# Allegro board BRD-05058-01_B04.brd (continued)
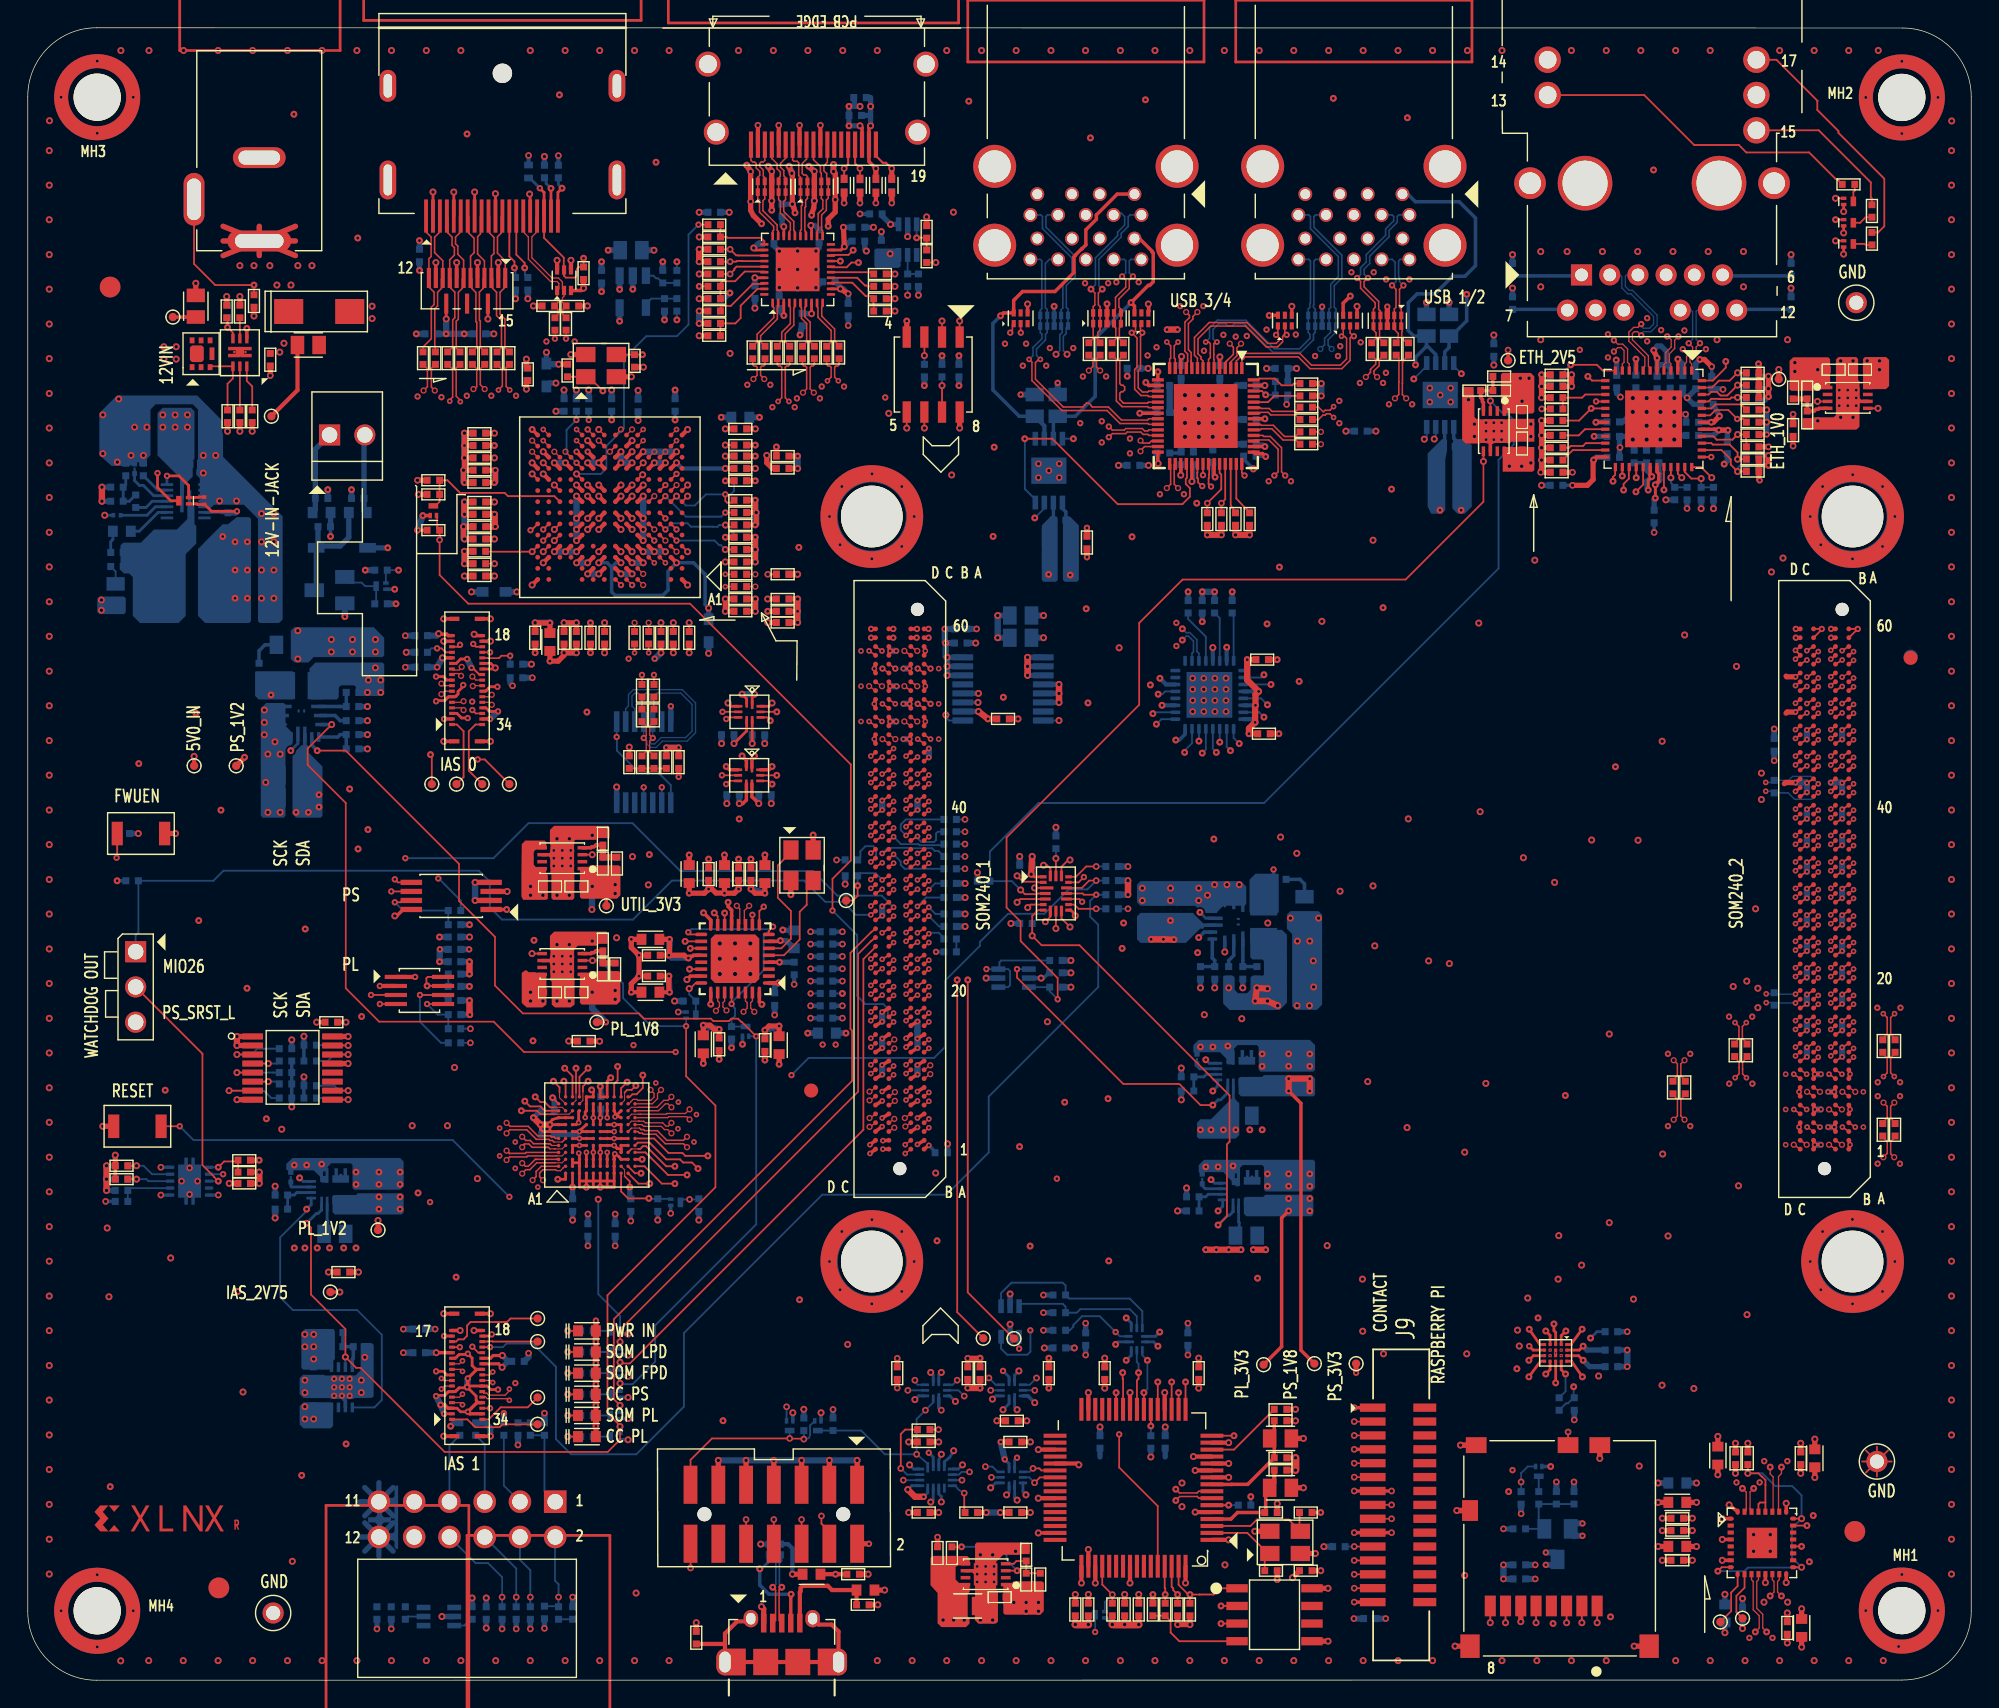
[diagram p0: board, top side]
## Routing (per net, layer and track width the routed paths; a pad name or vN(x,y) marks a point on that pad's centre or on a via; arc(x,y) is an arc through that point) (continued)
MIO69: length 76.6
  TOP w0.132: JA1.C44 v3(61.55,65.25) ; v2(121.27,88.09) U36.37
  L12_SIG w0.102: v2(121.27,88.09) 121,88.36 112.62,88.36 111.81,87.55 111.81,86.49 111.73,86.41 111.73,84.67 111.48,84.43 110.33,84.43 109.35,83.45 109.35,83.3 110.01,82.64 110.01,82.49 109.72,82.21 109.58,82.21 108.92,82.87 108.77,82.87 108.48,82.58 108.48,82.44 109.15,81.78 109.15,81.63 108.86,81.35 108.72,81.35 108.05,82.01 107.91,82.01 99.55,73.65 96.17,73.65 88.83,66.31 80.8,66.31 80.54,66.56 66.73,66.56 66.18,66.01 65.29,66.01 65.14,65.86 62.16,65.86 v3(61.55,65.25)
MIO70: length 70.7
  TOP w0.132: U36.32 v6(117.87,85.72) ; JA1.B44 v3(63.27,65.28)
  L05_SIG w0.102: v6(117.87,85.72) 117.87,86.77 117.24,87.39 114.43,87.39 113.51,86.47 113.51,83.86 111.91,82.26 111.91,78.74 98.99,65.81 63.81,65.81 v3(63.27,65.28)
MIO71: length 70.5
  TOP w0.132: U36.33 v4(118.37,86.6) ; JA1.B45 v3(64.09,66.48)
  L05_SIG w0.102: v3(64.09,66.48) 64.52,66.05 65.1,66.05 65.35,66.31 93.11,66.31 95.13,68.32 99.19,68.32 110.13,79.26 110.13,81.62 112.73,84.22 112.73,86.63 114.25,88.15 117.5,88.15 118.37,87.28 v4(118.37,86.6)
  BOTTOM w0.132: R123.1 R111.2 118.64,85.96 118.37,86.24 v4(118.37,86.6)
MIO72: length 72.4
  TOP w0.132: U36.34 118.87,86.88 v4(119.15,86.6) ; JA1.B46 v3(63.27,66.55)
  L05_SIG w0.102: v3(63.27,66.55) 62.87,66.95 62.87,67.25 62.66,67.45 62.66,68.06 62.87,68.26 65.74,68.26 66.93,67.07 75.97,67.07 77.24,68.34 86.94,68.34 87.18,68.58 91.45,68.58 94.38,71.52 97.33,71.52 110.01,84.19 110.01,86.83 111.87,88.69 113.72,88.69 114.23,89.21 114.92,89.21 115.44,88.69 117.85,88.69 119.15,87.39 v4(119.15,86.6)
MIO73: length 72.7
  TOP w0.132: JA1.A42 v3(64.91,64.55) ; v4(120.55,86.53) 119.84,86.53 119.37,87.01 U36.35
  L05_SIG w0.102: v3(64.91,64.55) 65.02,64.66 106.03,64.66 119.96,78.59 119.96,85.95 v4(120.55,86.53)
  BOTTOM w0.132: v4(120.55,86.53) R122.1 R110.2
MIO74: length 71.4
  TOP w0.132: v4(121.31,86.6) 120.54,87.36 U36.36 ; JA1.A43 v3(64.91,65.19)
  L12_SIG w0.102: v3(64.91,65.19) 91.14,65.19 96.88,70.93 102.96,70.93 113.03,80.99 113.03,86.12 113.03,86.35 113.02,86.36 113.02,86.71 113.57,87.26 120.64,87.26 v4(121.31,86.6)
MIO75: length 77
  TOP w0.132: R109.2 v4(123.17,87.04) 122.68,87.53 122.68,87.92 122.01,88.59 U36.38 ; JA1.A44 v3(64.09,65.25)
  L12_SIG w0.102: v3(64.09,65.25) 64.51,65.67 75.89,65.67 75.94,65.62 89.75,65.62 96.3,72.17 101.88,72.17 112.44,82.73 112.44,84.39 112.06,84.77 112.06,86.27 113.47,87.68 120.77,87.68 121.42,87.03 121.49,87.03 121.51,87.01 122.67,87.01 122.7,87.04 v4(123.17,87.04)
  BOTTOM w0.132: R121.1 123.65,87.49 123.36,87.49 123.17,87.3 v4(123.17,87.04)
MIO76: length 70.9
  TOP w0.132: v2(112.97,92.09) U36.16 ; JA1.D44 v3(60.73,65.28)
  L05_SIG w0.102: v3(60.73,65.28) 60.03,65.98 60.03,68.15 60.48,68.59 66,68.59 66.74,67.86 75.36,67.86 80.54,73.04 95.65,73.04 105.77,83.15 105.77,87.67 108.08,89.98 108.54,89.98 108.74,90.18 111.81,90.18 113.04,91.41 113.04,91.76 112.97,91.83 v2(112.97,92.09)
MIO77: length 67.9
  TOP w0.132: JA1.D45 v3(61.55,66.48) ; U36.17 v6(112.63,91.59) 111.75,90.71 R103.2
  L12_SIG w0.102: v6(112.63,91.59) 110.64,89.6 110.64,86.27 99.19,74.81 95.51,74.81 89.13,68.44 88.34,68.44 88.19,68.59 82.83,68.59 81.56,67.32 66.3,67.32 65.03,66.05 63.65,66.05 63.62,66.09 61.95,66.09 v3(61.55,66.48)
MODE0_C2M: length 1.8
  TOP w0.132: JA1.A27 v3(64.91,55.03)
  BOTTOM w0.132: v3(64.91,55.03) 65.66,54.28 R165.1
MODE1_C2M: length 18
  TOP w0.132: JA1.A28 v3(64.91,55.66)
  L03_SIG w0.102: v1(79.26,55.55) 77.75,57.06 74.8,57.06 74.18,56.44 68.84,56.44 68.06,55.66 v3(64.91,55.66)
  BOTTOM w0.132: R288.2 v1(79.26,55.55) ; v3(64.91,55.66) 65.39,55.18 R164.1
MODE2_C2M: length 2.7
  TOP w0.132: JA1.A29 v3(64.09,55.73)
  BOTTOM w0.132: R163.1 64.73,56.36 v3(64.09,55.73)
MODE3_C2M: length 1.7
  TOP w0.132: JA1.A30 v3(64.91,56.93)
  BOTTOM w0.132: R162.1 65.36,57.38 v3(64.91,56.93)
MP5016_DVDT: length 3.3
  TOP w0.132: C206.1 16.17,93.17 15.78,93.56 U41.10
MP5016_EN: length 3.1
  TOP w0.132: U41.9 R133.2
MP5016_GATE: length 5
  TOP w0.132: Q5.3 13.2,94.62 U41.8 14.77,94.61 14.77,93.74 14.39,93.36 C234.1
MP5016_ILIMIT: length 1.5
  TOP w0.132: R135.1 U41.4
MP5016_MODE: length 2.4
  TOP w0.132: C235.1 14.39,98.06 v6(14.39,97.42) 14.77,97.04 14.77,96.63 U41.5
  BOTTOM w0.132: R134.1 v6(14.39,97.42)
Net_99: length 0.6
  TOP w0.132: 46.33,83.27 v2(46.73,82.87)
PC4_CON_PGND: length 13.6
  TOP w0.127: J3.13 47.74,15.87 49.29,17.41 v1(54.89,17.41) 54.9,17.39 55.87,17.39 v1(55.9,17.36)
  BOTTOM w0.132: Q12.1 56.35,18.34 56.35,17.65 56.27,17.44 56.06,17.36 v1(55.9,17.36) R234.2 ; Q13.3 v1(54.89,17.41)
PL_1V2: length 49.3
  TOP w0.203: 42.24,37.72 42.28,37.9 42.59,37.71 U34.K3 U34.L3 ; 42.24,37.72 U34.J3 U34.J2 U34.J1 42.24,35.95 ; 42.24,37.72 42.24,37.73 v3(42.29,37.91) ; v6(40.24,35.51) 39.74,35.51 39.74,35.95 ; v6(40.24,35.51) 40.24,35.95 ; v6(40.24,35.51) 40.74,35.51 ; U34.B8 U34.A8 v6(37.62,40.01) ; 39.74,37.26 U34.D2 U34.D1 39.74,35.95 ; 39.74,37.26 U34.D3 39.74,37.98 v3(39.69,37.95) ; 39.74,37.26 39.24,37.26 ; 40.74,35.95 40.74,35.52 40.74,35.51 ; 40.74,35.95 40.74,36.51 U34.F1 ; 40.74,35.95 40.24,35.95 ; 40.74,35.95 41.24,35.95 ; JA2.B42 v3(129.88,64.01) ; U34.B7 U34.A7 37.64,39.51 ; v6(36.93,40.01) 36.93,39.65 37.13,39.51 37.64,39.51 ; 37.64,39.51 37.62,39.53 v6(37.62,40.01) ; v3(42.31,40.57) U34.K10 ; v3(42.31,40.57) 42.48,40.64 U34.K9 ; v3(42.31,40.57) 42.37,40.75 U34.J10 U34.J11 ; 42.24,35.51 42.24,35.95 ; 42.24,35.95 41.74,35.95 ; 40.24,35.95 39.74,35.95 ; 40.24,35.95 40.24,36.51 U34.E1 ; v6(37.62,40.01) 37.62,40.15 37.79,40.38 U34.A9 U34.B9 U34.C9 ; U34.H1 41.74,35.95 ; 41.74,35.95 41.24,35.95 ; 41.74,35.95 41.74,35.53 41.73,35.51 ; 41.24,35.95 41.24,36.51 U34.G1 ; 41.24,35.95 v6(41.24,35.51) 40.74,35.51 ; JA2.C44 v3(128.98,65.82) ; v3(40.16,40.53) 40.16,40.92 U34.E10 U34.E11 U34.E12 U34.F12 40.74,42.39 v6(40.62,42.51) ; J7.23 33.36,73.22 v4(33.68,72.9) 33.6,72.82 J7.24 ; 39.24,37.26 U34.C2 ; 39.24,37.26 U34.C3 ; JA2.A44 v3(131.52,65.82) ; v6(41.24,42.76) U34.G12 U34.H12 41.74,43.14 v6(41.99,43.39) ; JA2.D42 v3(127.34,64.01)
  TOP w0.229: J8.24 33.92,22.79 v4(34.17,22.53) ; J8.23 33.33,23.19 33.52,23.38 v4(34.19,23.38)
  TOP w0.254: v6(41.24,35.51) 42.24,35.51 ; JA1.D1 v3(60.67,37.93) ; JA1.D2 v3(60.67,38.57)
  TOP w0.381: C127.1 v4(38.97,46.03) ; TP19.1 v4(25.23,33.11) ; C128.1 v4(21.66,29.39)
  TOP w0.457: v6(36.43,40.51) v6(36.93,40.01) v6(37.62,40.01)
  L03_SIG w0.254: v6(37.62,40.01) v6(36.93,40.01)
  BOTTOM w0.203: v6(19.58,36.17) 19.84,35.92 U5.12
  BOTTOM w0.381: C130.1 v1(42.31,33.57) ; v6(36.43,40.51) 36.87,40.95 C126.1 ; v6(41.24,42.76) 41.28,42.72 C132.1 ; C140.1 34.75,71.79 v1(34.92,71.62) ; C131.1 37.02,39.92 v6(36.93,40.01) ; C125.1 v1(40.35,33.57) ; 34.61,22.96 34.6,22.96 v4(34.17,22.53) ; 34.61,22.96 C133.1 ; 34.61,22.96 v4(34.19,23.38) ; R21.1 v4(17.82,35.58)
  BOTTOM w0.432: C129.1 v1(125.81,68.51)
  vias: v6(25.3,34.81) v6(25.3,33.92) v6(26.82,34.81) v6(26.82,33.92)
PL_1V2_FB: length 2.8
  BOTTOM w0.203: R26.1 R21.2 19.2,34.94 19.38,35.12 U5.10
PL_1V8: length 47
  TOP w0.076: U34.K11 42.74,41.51 42.99,41.76 42.99,42.32 ; U34.K2 42.99,36.76 42.99,36.3
  TOP w0.132: 42.99,42.32 43.18,42.51 43.49,42.51 v6(43.81,42.82) ; v6(43.37,35.51) 43.37,35.92 42.99,36.3
  TOP w0.203: U34.M3 v6(44.25,37.51) ; U34.C1 v6(39.24,35.51) ; U34.C8 39.51,40.01 39.65,40.15 39.65,40.16 v3(39.68,40.16) 39.68,40.95 U34.D10
  TOP w0.254: J8.13 v4(29.43,23.59) ; U40.32 v4(122.56,12.63) ; U40.13 v4(125.17,7.03) ; v6(47.59,52) 47.72,52.13 47.87,52.13 47.95,52.21 U17.20 ; U40.16 v4(126.67,7.03) ; U40.25 v4(126.67,12.74) ; J7.13 v4(29.87,73.62)
  TOP w0.305: C63.1 v6(46.19,52.21) ; C74.1 v4(20.81,47.39)
  TOP w0.381: v4(127.72,14.9) 127.72,15.19 127.72,15.19 127.72,15.5 127.72,15.5 C192.1 ; C190.1 v4(123.02,14.9) ; C195.1 v4(121.75,14.8) ; U18.13 v4(23.08,44.41) ; U18.16 v4(23.08,46.36) ; C193.1 v4(128.73,14.6) ; v6(47.59,52) 47.49,52 47.28,52.21 v6(46.19,52.21) 46.23,52.25 v6(46.23,53.35) C62.1 ; C194.1 v4(126.75,4.85) ; C189.1 v4(127.79,5.15) ; TP24.1 v2(41.65,47.39)
  TOP w0.457: v1(79.26,57.58) v1(79.26,56.57)
  BOTTOM w0.254: R62.1 R57.1 R63.1 R58.1 ; Q1.1 v1(46.32,33.62)
  BOTTOM w0.305: R91.1 v4(45.38,33.14)
  BOTTOM w0.381: v6(47.59,52) 46.39,52 v6(46.19,52.21) ; R58.1 v4(19.02,41.29) ; C136.1 43.37,34.74 v6(43.37,35.51) ; C196.1 v4(123.53,5.89) ; C191.1 v4(122.26,6.19) ; C137.1 39.25,35.5 v6(39.24,35.51)
  BOTTOM w0.432: v4(29.43,23.59) 29.42,23.59 C134.1 ; R258.1 v4(36.28,73.17) ; R257.1 v4(27.26,74.02) ; C141.1 v1(29.49,72.95)
  BOTTOM w0.457: v2(41.65,47.39) 40.66,48.37 40.66,48.93 ; R207.1 v1(79.26,57.58) v1(79.26,56.57) R208.1 ; 40.66,48.93 41.6,48.93 41.71,49.04 v4(42.31,49.04) v4(42.31,49.67) ; 40.66,48.93 v4(40.66,49.54) v4(40.66,50.81) ; v1(29.49,72.95) v4(29.87,73.62) ; v6(46.23,53.35) v6(46.19,52.21)
PL_1V8_FB: length 3.3
  TOP w0.254: U9.4 40.56,52.33 40.63,52.4 40.79,52.4 40.92,52.52 R23.1
  TOP w0.457: R23.1 C21.2 R24.2
PL_3V3: length 25.2
  TOP w0.254: JA2.B60 v2(129.91,75.71) ; v6(90.83,33.8) 90.32,33.29 90.32,24.02 TP21.1 ; JA1.B14 v3(63.27,46.23) ; JA2.D60 v2(127.37,75.71) ; JA1.B13 v3(63.27,45.59) ; JA2.D59 v2(127.37,75.07) ; JA2.B59 v2(129.91,75.07) ; J9.15 v1(95.56,5.63)
  L10_SIG w0.381: v4(93.37,9.62) 94.56,9.62 94.57,9.63
  BOTTOM w0.203: v6(85.24,36.05) 85.49,35.79 U4.12
  BOTTOM w0.254: R59.1 R64.1 ; R60.1 R65.1
  BOTTOM w0.381: R65.1 v4(19.89,46.37) ; R18.1 v4(83.48,35.45) ; R167.1 v4(32.01,5.92) ; R61.1 v4(19.02,46.12) ; C237.1 v4(33.03,5.92) ; R64.1 v4(19.89,43.45) ; R90.1 v4(48.34,33.14)
  BOTTOM w0.432: C143.1 v1(95.53,4.44) ; R259.1 v4(93.37,9.62)
  vias: v6(90.83,34.69) v6(92.35,34.69) v6(92.35,33.8)
PL_3V3_FB: length 2.8
  BOTTOM w0.203: R20.1 R18.2 84.86,34.81 85.04,34.99 U4.10
PMOD_3V3: length 17
  BOTTOM w0.381: J2.12 26.32,9.29 ; J2.12 26.32,11.34 ; J2.12 24.28,11.34 ; J2.12 24.28,9.29 ; J2.12 23.92,10.31 ; J2.12 25.3,8.94 ; 23.92,12.85 J2.11 ; J2.11 25.3,14.23 ; J2.11 24.28,13.88 ; J2.11 24.28,11.83 ; J2.11 26.32,11.83 ; J2.11 26.32,13.88
PMOD_HDA11: length 68.1
  L05_SIG w0.102: v1(56.39,47.68) 56.58,47.49 56.58,46.2 56.31,45.93 56.31,41.34 54.24,39.26 54.24,32.43 53.68,31.87 53.03,31.87 52.93,31.77 52.93,31.36 53.03,31.26 53.68,31.26 53.78,31.16 53.78,30.75 53.68,30.65 53.03,30.65 52.93,30.55 52.93,30.14 53.03,30.04 53.68,30.04 53.78,29.94 53.78,29.53 53.68,29.43 53.03,29.43 52.93,29.33 52.93,28.92 53.03,28.82 53.68,28.82 53.78,28.72 53.78,28.31 53.68,28.21 53.03,28.21 52.93,28.11 52.93,27.71 53.03,27.6 53.68,27.6 53.78,27.5 53.78,27.1 53.68,26.99 53.03,26.99 52.93,26.89 52.93,26.49 53.03,26.38 53.68,26.38 53.78,26.28 53.78,25.88 53.68,25.77 53.03,25.77 52.93,25.67 52.93,25.27 53.03,25.17 53.68,25.17 53.78,25.06 53.78,24.66 53.68,24.56 53.03,24.56 52.93,24.45 52.93,24.05 53.03,23.95 53.68,23.95 53.78,23.84 53.78,23.44 53.68,23.34 53.03,23.34 52.93,23.23 52.93,22.83 53.03,22.73 53.68,22.73 53.78,22.63 53.78,21.49 53.36,21.07 53.22,21.07 52.77,21.52 52.63,21.52 52.34,21.23 52.34,21.09 52.79,20.64 52.79,20.49 52.5,20.21 52.36,20.21 51.91,20.66 51.76,20.66 51.48,20.37 51.48,20.22 51.93,19.78 51.93,19.63 45.15,12.85 J2.1
  BOTTOM w0.132: R274.2 C372.1 37.22,13.63 J2.1
  BOTTOM w0.305: R276.2 v1(56.39,47.68)
PMOD_HDA12: length 68.1
  L05_SIG w0.102: v2(56.39,49.46) 55.76,48.82 55.76,42.02 53.6,39.87 53.6,33.78 51.89,32.07 51.89,28.03 50.57,26.71 50.57,26.1 50.67,26 52.2,26 52.3,25.9 52.3,25.49 52.2,25.39 50.67,25.39 50.57,25.29 50.57,24.88 50.67,24.78 52.2,24.78 52.3,24.68 52.3,24.27 52.2,24.17 50.67,24.17 50.57,24.07 50.57,23.66 50.67,23.56 52.2,23.56 52.3,23.46 52.3,23.05 52.2,22.95 50.67,22.95 50.57,22.85 50.57,22.48 50.67,22.38 51.87,22.38 51.97,22.28 51.97,21.87 51.87,21.77 50.67,21.77 50.57,21.67 50.57,20.01 44.67,14.11 36.71,14.11 J2.3
  BOTTOM w0.132: R278.2 v2(56.39,49.46) ; C374.1 34.3,14.01 J2.3
PMOD_HDA13: length 68.2
  L05_SIG w0.102: J2.5 33.63,13.57 33.63,14.31 34.93,15.61 39.32,15.61 44.7,20.99 44.84,20.99 45.21,20.63 45.35,20.63 45.64,20.91 45.64,21.06 45.27,21.42 45.27,21.57 45.56,21.86 45.7,21.86 46.07,21.49 46.21,21.49 46.5,21.78 46.5,21.92 46.13,22.29 46.13,22.43 47.14,23.44 47.14,26.42 47.24,26.52 48.56,26.52 48.66,26.62 48.66,27.03 48.56,27.13 47.24,27.13 47.14,27.23 47.14,27.64 47.24,27.74 48.56,27.74 48.66,27.84 48.66,28.25 48.56,28.35 47.24,28.35 47.14,28.45 47.14,28.86 47.24,28.96 48.56,28.96 48.66,29.06 48.66,29.47 48.56,29.57 47.24,29.57 47.14,29.67 47.14,30.5 51.57,34.93 51.57,42.47 54.52,45.42 54.52,50.25 v1(56.39,52.12)
  BOTTOM w0.132: J2.5 32.92,16.99 C377.1
  BOTTOM w0.305: R280.2 v1(56.39,52.12)
PMOD_HDA14: length 68.2
  L05_SIG w0.102: v1(56.39,53.01) 54.34,50.96 53.77,50.96 53.34,50.53 53.34,47.41 53.62,47.13 53.62,46.17 50.78,43.34 50.78,35.31 49.01,33.54 49.01,33.12 46.56,30.67 46.56,24.63 45.65,23.73 45.51,23.73 45.34,23.9 45.2,23.9 44.91,23.61 44.91,23.46 45.08,23.3 45.08,23.15 43.66,21.74 43.66,21.71 43.42,21.47 43.4,21.47 39.32,17.39 39.32,17.37 39.07,17.12 39.05,17.12 37.94,16.02 33.2,16.02 33.1,15.91 33.1,14.8 32.99,14.7 32.59,14.7 32.49,14.8 32.49,15.91 32.39,16.02 31.98,16.02 31.88,15.91 31.88,14.23 31.78,14.13 31.38,14.13 31.27,14.24 31.27,15.91 31.17,16.02 30.58,16.02 30.38,15.81 J2.7
  BOTTOM w0.132: J2.7 30.38,16.89 C379.1
  BOTTOM w0.305: R282.2 v1(56.39,53.01)
PMOD_HDA15: length 68.1
  L05_SIG w0.102: J2.2 43.6,10.31 50.95,17.67 51.1,17.67 51.89,16.87 52.04,16.87 52.32,17.16 52.32,17.3 51.53,18.1 51.53,18.24 52.01,18.72 52.15,18.72 53.62,17.25 53.77,17.25 54.05,17.54 54.05,17.68 52.58,19.15 52.58,19.3 54.87,21.59 54.87,22.49 54.97,22.59 55.62,22.59 55.73,22.69 55.73,23.1 55.62,23.2 54.15,23.2 54.05,23.3 54.05,23.71 54.15,23.81 55.62,23.81 55.73,23.91 55.73,24.32 55.62,24.42 54.97,24.42 54.87,24.52 54.87,38.52 57.1,40.75 57.1,44.69 56.77,45.02 56.77,45.86 56.93,46.02 56.93,48.03 v1(56.39,48.57)
  BOTTOM w0.132: C373.1 38.2,5.33 R275.2 v1(38.23,5.98) 38.23,6.91 37.98,7.17 37.98,10.3 J2.2
  BOTTOM w0.305: R277.2 v1(56.39,48.57)
PMOD_HDA16_CC: length 68.2
  L05_SIG w0.102: J2.4 34.29,11.48 34.29,13.5 35.41,14.62 43.53,14.62 46.51,17.6 46.51,17.74 46.16,18.08 46.16,18.23 46.45,18.51 46.6,18.51 46.94,18.17 47.08,18.17 47.37,18.46 47.37,18.6 47.03,18.94 47.03,19.09 47.31,19.37 47.46,19.37 47.8,19.03 47.94,19.03 48.23,19.32 48.23,19.46 47.89,19.81 47.89,19.95 48.18,20.24 48.32,20.24 48.66,19.89 48.81,19.89 49.98,21.07 49.98,28.22 50.08,28.32 51.03,28.32 51.13,28.43 51.13,28.83 51.03,28.93 50.08,28.93 49.98,29.04 49.98,29.44 50.08,29.54 51.03,29.54 51.13,29.65 51.13,30.05 51.03,30.15 50.08,30.15 49.98,30.25 49.98,31.2 53.09,34.31 53.09,40.56 55.5,42.96 55.5,45.2 55.23,45.47 55.23,49.02 56.39,50.18 v1(56.39,50.35)
  BOTTOM w0.132: J2.4 35.46,8.67 36.2,7.93 v1(36.2,5.98) C375.1
  BOTTOM w0.305: R279.2 v1(56.39,50.35)
PMOD_HDA17: length 68.1
  L05_SIG w0.102: v1(56.39,51.23) 55.66,50.5 55.66,49.97 54.87,49.18 54.87,44.38 52.42,41.93 52.42,34.66 49.33,31.56 49.33,25.97 49.22,25.87 48.46,25.87 48.36,25.77 48.36,25.36 48.46,25.26 49.22,25.26 49.33,25.16 49.33,24.75 49.22,24.65 48.46,24.65 48.36,24.55 48.36,24.14 48.46,24.04 49.22,24.04 49.33,23.94 49.33,23.53 49.22,23.43 48.46,23.43 48.36,23.33 48.36,22.92 48.46,22.82 49.22,22.82 49.33,22.72 49.33,22.19 48.49,21.36 48.35,21.36 47.84,21.86 47.7,21.86 47.41,21.57 47.41,21.43 47.92,20.93 47.92,20.78 42.39,15.25 35.29,15.25 34.03,14 34.03,11.43 J2.6
  BOTTOM w0.132: J2.6 35.19,8.04 v1(35.19,5.98) C378.1
  BOTTOM w0.305: R281.2 v1(56.39,51.23)
PMOD_HDA18: length 68.2
  L05_SIG w0.102: J2.8 28.83,11.86 28.83,15 30.26,16.44 35.82,16.44 36.33,16.94 36.33,17.45 39.05,20.17 39.07,20.17 39.32,20.42 39.32,20.44 42.83,23.95 42.84,23.95 43.08,24.19 43.32,24.19 43.42,24.3 43.42,24.52 44.31,25.41 44.45,25.41 44.55,25.31 44.77,25.31 44.98,25.52 44.98,25.74 44.87,25.85 44.87,25.99 45.95,27.07 45.95,31.55 48.03,33.64 48.16,33.64 49.92,35.4 49.92,43.49 51.12,44.69 51.12,45.6 51.09,45.63 51.09,48.67 52.87,50.45 52.87,51.55 53.49,52.18 54.68,52.18 v1(56.39,53.9)
  BOTTOM w0.132: J2.8 32.25,8.44 33.15,8.44 34.17,7.42 v1(34.17,5.98) C380.1
  BOTTOM w0.305: R283.2 v1(56.39,53.9)
PMOD_PWR_EN: length 1.5
  BOTTOM w0.132: U42.3 31.45,3.94 31.9,4.39 R167.2
PMOD_PWR_FLT_B: length 1.4
  BOTTOM w0.132: R166.2 27.4,4.59 U42.5
PS_1V2: length 46
  TOP w0.254: v4(85.88,95.3) 85.86,95.28 U43.5 ; U43.49 v6(89.12,90.84) ; U43.33 83.86,86.33 v4(83.86,86.33) ; v4(83.11,95.33) 83.08,95.33 83.08,95.3 83.06,95.28 U43.12 ; U43.43 88.41,88.34 88.96,88.34 v6(89.18,88.12) ; v4(81.43,87.61) 81.41,87.63 U43.28 ; U43.15 v6(81.41,94.23) ; U43.21 v6(80.11,91.24)
  TOP w0.305: U27.F10 v4(39.53,82.87) ; U27.E10 v4(39.53,82.07) ; U27.E5 v4(44.33,82.07) ; U27.F5 v4(44.33,82.87) ; U27.H10 v4(39.53,85.27) ; U27.G5 v4(44.33,83.67) ; U27.H5 v4(44.33,85.27) ; U27.G10 v4(39.53,83.67)
  TOP w0.381: v4(53.24,88.2) 53.24,87.67 53.64,87.26 C332.1 ; C240.1 v4(53.3,76.17) ; C331.1 v4(53.3,77.87) ; TP9.1 15.61,66.45 v6(15.61,66.46) ; C334.1 v6(33.61,86.25) 33.68,86.31 v1(33.68,87.14) C330.1 ; C216.1 v4(44.35,94.56) ; C215.1 v4(38.25,94.77)
  TOP w0.457: C333.1 v1(33.68,83.07) 33.66,83.09 v4(33.62,83.96) C335.1
  L08_PWR w0.635: 16.34,70.23 15.61,69.5 v6(15.61,66.46)
  BOTTOM w0.254: C284.1 89.15,88.15 v6(89.18,88.12) ; C291.1 80.16,91.3 v6(80.11,91.24) ; v6(89.12,90.84) 89.07,90.79 C286.1 ; C295.1 83.97,86.43 v4(83.86,86.33) ; C283.1 81.36,87.68 v4(81.43,87.61)
  BOTTOM w0.381: v4(83.11,95.33) 83.08,95.33 C289.1 ; C285.1 v4(80.73,87.49) ; C296.1 v4(94.95,89.95) ; C290.1 v4(85.88,95.3) ; L12.2 v4(37.36,95.63) ; C292.1 v4(80.71,94.47) ; R13.1 v4(24.47,71.13) ; C9.1 v4(24.47,69.1)
  BOTTOM w0.432: C336.1 v6(49.95,90.95) ; L10.2 v4(31.96,78.37)
  BOTTOM w0.457: v4(44.33,82.07) v4(44.33,82.87) v4(44.33,83.67) v4(44.33,85.27) ; L12.2 37.41,94.77 v4(38.25,94.77) ; v4(33.62,83.96) 33.62,83.71 33.66,83.09 v1(33.68,83.07) ; v6(33.61,86.25) 33.68,86.31 v1(33.68,87.14) ; v4(39.53,85.27) v4(39.53,83.67) v4(39.53,82.87) v4(39.53,82.07)
  vias: v4(24.53,72.02) v4(25.04,72.91) v4(25.42,72.02) v4(25.42,71.13)
PS_1V2_FB: length 3
  BOTTOM w0.254: U2.10 22.5,70.12 22.5,70.12 R43.1 R13.2
PS_1V2_MODE: length 3.1
  BOTTOM w0.254: R12.2 R42.1 22.5,68.1 22.33,67.92 U2.13
PS_1V2_RAMP: length 2
  BOTTOM w0.254: C9.2 22.5,69.1 22.13,69.47 U2.11
PS_1V2_SW: length 6
  L12_SIG w0.254: v6(17.52,70.96) 18.95,69.53 v6(18.95,66.94)
  BOTTOM w0.203: U2.16 19.46,67.46 v6(18.95,66.94)
PS_1V8: length 109
  TOP w0.203: v6(112.05,24.06) 111.76,23.77 U38.A2 ; v4(53.62,70.37) 53.38,70.14 U30.10 ; v6(116.74,85.71) 116.74,86.43 v6(116.99,86.68) ; U30.7 v4(52.19,67.45)
  TOP w0.254: U28.10 53.38,65.57 v6(53.62,65.8) ; v6(116.99,86.68) 116.87,86.8 U36.30 ; U28.7 52.17,63.63 v4(52.66,63.13) ; U36.41 121.06,90.09 121.06,90.09 121.48,90.09 121.49,90.09 121.75,90.09 v6(121.82,90.03) ; Q22.1 v6(28.46,83.87) ; U17.23 47.74,50.71 v4(47.48,50.45) ; TP15.1 91.72,23.76 91.72,41.54 v6(90.83,42.43) ; U36.19 v6(112.96,90.59) ; R269.1 v1(28.07,82.82)
  TOP w0.305: R104.1 v2(125.27,89.71) ; U16.2 v2(25.36,50) ; C70.1 v6(46.19,50.71) ; C69.1 v6(46.23,49.54)
  TOP w0.381: R102.1 v4(125.27,91.49) ; v4(109.05,89.64) v4(109.05,88.76) ; v4(109.05,89.64) v4(109.05,90.71) R103.1 ; v4(109.05,89.64) R113.1 ; v4(109.05,88.76) v4(109.05,87.87) ; v4(109.05,88.76) R114.1 ; R105.1 R109.1 124.7,86.46 v2(124.76,86.41) ; R115.1 v4(109.05,87.87) ; v4(109.05,87.87) 109.05,87.18 108.99,87.11 v1(108.99,86.99) C158.1 ; C92.1 v6(68.6,23.19) 68.6,23.18 v1(67.71,23.18) C91.1 ; C145.1 v4(111.21,93.17) v4(111.21,94.01) C146.1 ; C277.1 v6(87.85,73.5) ; v6(46.19,50.71) 46.19,49.59 v6(46.23,49.54) ; C81.1 v4(63.46,12.08) ; v6(121.82,90.03) 122.46,90.03 v6(122.48,90.01) ; J3.2 v2(60.6,9.83) ; R46.1 v4(16.68,36.59) ; R106.1 R107.1 R108.1 124.7,94.77 v6(124.68,94.79) ; R125.1 v4(125.27,90.6) ; C275.1 v6(87.97,68.16) ; C50.1 v4(16.68,35.78)
  TOP w0.432: C276.1 v2(76.3,80.87)
  TOP w0.457: v4(16.68,36.59) v4(16.68,35.78) ; v6(92.35,42.43) v6(92.35,43.32) v6(90.83,43.32) v6(90.83,42.43) ; v4(5.67,35.27) v4(5.67,36.08) v4(5.67,37.05) ; v6(87.97,68.16) 87.97,68.54 88.41,68.98 v6(88.42,68.98) 88.42,70.18 v6(88.44,70.21) 88.44,70.98 v6(88.67,71.21) 87.85,72.03 v6(87.85,73.5) ; v2(64.53,13.21) 63.92,13.21 v4(63.4,13.73)
  BOTTOM w0.203: v2(64.53,13.21) 64.54,13.21 64.83,13.5 U22.12 ; U64.6 70.69,21.84 v2(70.25,22.27) ; v4(65.05,22.17) 65.23,21.98 U25.6 ; v2(64.91,16.38) 65.23,16.06 U22.2 ; v6(84.86,44.68) 85.11,44.43 U3.12 ; v4(63.4,13.73) 63.67,14.01 U22.13
  BOTTOM w0.229: U13.1 v1(9.59,34.94) ; U13.10 v1(13.73,34.94)
  BOTTOM w0.254: v6(116.74,85.71) 116.61,85.83 116.61,86.35 ; U37.8 83.37,68.12 82.95,67.71 v6(82.7,67.71) ; v6(116.99,86.68) 116.61,87.06 C147.1 C156.1 ; R45.1 v6(6.44,57.57)
  BOTTOM w0.305: U37.28 v6(88.67,71.21) ; v6(81.56,72.15) 82,71.71 U37.14 ; U37.32 88.18,69.21 v6(88.42,68.98) ; U37.11 v6(81.71,70.21) ; U37.30 v6(88.44,70.21)
  BOTTOM w0.381: R48.1 v4(5.67,35.27) ; C144.1 112.98,90.61 v6(112.96,90.59) ; v2(125.27,89.71) v4(125.27,90.6) v4(125.27,91.49) ; R14.1 v4(83.1,44.08) ; C159.1 121.44,89.64 v6(121.82,90.03) 121.83,90.01 v6(122.48,90.01) 122.43,89.97 C157.1 ; 116.66,86.35 v6(116.99,86.68) ; 116.66,86.35 116.66,85.79 ; 116.66,86.35 116.61,86.35 ; R49.1 v4(5.67,37.05) ; R130.1 v1(115.22,25.1) ; v6(112.05,24.06) 112.33,23.78 C175.1 ; R110.1 v4(121.44,84.37) ; R111.1 v4(118.01,85) ; R210.1 v4(74.06,61.42) ; R47.1 v4(5.67,36.08)
  BOTTOM w0.432: v4(16.68,36.59) v4(16.68,35.78) ; C108.1 v4(52.66,63.13) ; v6(46.19,50.71) v6(46.23,49.54) ; C114.1 v4(52.19,67.45) ; C329.1 v2(31.8,52.63)
  BOTTOM w0.457: v4(5.67,35.27) v4(5.67,36.08) v4(5.67,37.05) ; v1(28.07,82.82) v6(28.46,83.87)
PS_1V8_FB: length 2.8
  BOTTOM w0.203: R16.1 R14.2 84.72,43.45 84.9,43.63 U3.10
PS_3V3: length 136.4
  TOP w0.203: U32.19 58.59,103 v4(58.82,103.23) ; U61.15 v4(33.15,98.03) ; U32.23 56.46,104.55 56.41,104.59 56.41,104.76 v4(56.42,104.76) ; U32.37 v4(52.38,101) ; U38.A3 111.71,23.37 v6(112.05,23.04) ; U32.28 v4(54.46,104.68) ; U32.3 54.46,98.28 v6(54.47,98.27) ; U61.13 v4(30.15,98.03) ; U32.32 52.44,103 v4(52.3,103.14) ; U30.6 51.79,68.36 v4(50.88,67.45) ; U32.12 v4(58.54,100.2) ; U32.8 v4(56.46,98.41)
  TOP w0.254: v6(48.68,55.27) 49.2,54.74 U17.16 ; v6(80.54,93.45) 80.75,93.24 U43.16 ; U17.32 52.7,48.85 v6(52.88,48.67) ; U15.8 27.04,55.5 26.58,55.04 v4(26.44,55.04) ; U28.6 51.77,63.39 51.51,63.13 v4(51.26,63.13) ; U43.55 v4(89.12,93.24) ; v6(85.53,86.64) 85.51,86.64 85.46,86.69 U43.37 ; U15.1 v6(34.5,55.5) ; U43.44 v6(89.12,88.84) ; U17.25 v6(49.2,48.68) ; v6(50.45,56.02) 50.45,55.71 50.66,55.5 50.66,55.5 50.7,55.46 50.7,55.04 50.7,55.03 U17.13 ; U43.31 v4(83.06,86.78)
  TOP w0.305: U27.J10 v4(39.53,86.07) ; U27.J5 v4(44.33,86.07) ; U27.L14 v4(36.33,87.67) ; U62.6 v4(38.13,102.25)
  TOP w0.381: v1(52.48,84.09) 52.41,84.16 v6(52.41,84.98) R146.1 ; v1(52.48,84.09) R141.1 ; v1(52.48,84.09) 52.48,83.27 v6(52.41,83.2) R145.1 ; C110.1 v2(46.89,67.17) v2(46,67.17) R170.1 ; C61.1 v6(51.2,56.98) 50.9,56.68 v6(50.19,56.68) ; v6(49.05,56.98) 49.29,56.98 49.58,56.69 50.18,56.69 v6(50.19,56.68) ; v6(49.05,56.98) 48.75,56.68 v6(47.65,56.68) C60.1 ; v6(49.05,56.98) C59.1 ; v4(58.82,103.23) v4(58.76,104.63) ; R180.1 v4(48.37,96.82) ; C56.1 v6(54.13,47.11) 53.4,47.11 v6(53.1,46.81) C55.1 ; v4(35.92,92.97) 35.92,93.49 C340.1 ; v4(58.54,100.2) v1(59.1,99.84) ; R181.1 v4(62.47,100.38) ; TP11.1 v2(95.69,22.14) ; C343.1 v6(53.93,88.81) ; C249.1 v6(40.54,73.99) ; R168.1 v4(28.14,85.4) ; v6(50.19,56.68) C54.1 ; C57.1 v6(49.81,46.87) 49.45,46.87 49.15,47.17 v6(48.66,47.17) C58.1 ; R205.1 v4(40.32,98.97) ; R178.1 v4(48.37,99.49) ; R177.1 v4(64.75,105.38) ; C326.1 v2(70.09,17.16) ; v4(31.45,81.29) v4(31.45,80.41) ; R179.1 v4(62.47,98.6) ; R169.2 v4(46.51,73.99) ; U31.8 v4(67.13,90.17)
  TOP w0.432: R216.1 v1(85.99,82.47) v1(84.97,82.47) R217.1
  TOP w0.457: v4(90.05,48.58) v4(89.3,48.91) v4(88.42,48.91) v4(88.54,49.86) v4(89.3,49.8) ; v6(31.82,48.95) 31.82,47.96 v6(31.84,47.93) ; v6(31.82,51.74) v6(31.82,50.85) ; R138.1 v4(31.45,81.29) ; R137.1 v4(31.45,80.41) ; C341.1 v4(33.62,84.85)
  L07_PWR w0.381: 123.32,115.36 J10.16 ; J10.16 125.74,115.36 ; J10.16 125.74,112.95 ; J10.16 123.32,112.95 ; J10.16 126.17,114.16 ; J10.16 122.89,114.16 ; 108.28,115.49 J10.14 ; J10.14 111.13,116.7 ; J10.14 110.7,115.49 ; J10.14 107.85,116.7
  BOTTOM w0.203: v2(70.38,15.9) 70.69,15.6 U65.6
  BOTTOM w0.254: v6(85.53,86.64) 85.51,86.64 85.37,86.78 C303.1 ; v6(89.12,88.84) 88.95,89.01 C297.1 ; C299.1 80.75,93.24 v6(80.54,93.45) ; C304.1 83.08,86.8 v4(83.06,86.78)
  BOTTOM w0.305: 111.24,10.9 Q14.2
  BOTTOM w0.381: v4(52.38,101) 52.38,100.99 C220.1 ; R1.1 v4(88.54,49.86) ; C217.1 v1(59.1,99.84) 58.75,100.2 v4(58.54,100.2) 58.54,100.33 C359.1 ; C223.1 59.23,103.63 v4(58.82,103.23) ; R196.1 v6(45.87,97.97) ; C225.1 v4(50.53,105.71) ; C218.1 55.82,98.41 v4(56.46,98.41) ; U29.14 v2(46.32,70.14) ; C219.1 54.34,104.8 v4(54.46,104.68) ; C357.1 52.61,103.45 v4(52.3,103.14) ; C269.1 v6(28.22,103.68) ; C250.1 v4(35.92,92.97) ; C360.1 54.13,98.61 v6(54.47,98.27) ; v4(91.4,94.47) C300.1 R270.2 ; C5.1 v4(86.51,49.86) ; v6(112.05,23.04) 112.5,22.58 C176.1 ; C298.1 v4(89.12,93.24) ; C358.1 56.69,104.76 v4(56.42,104.76) ; R178.1 v4(48.37,99.49) ; R184.1 v4(64.16,99.74) ; C221.1 v4(58.76,104.63)
  BOTTOM w0.432: R175.1 v4(39.52,92.92) ; R256.2 v6(31.82,54.41) ; v2(112,10.4) 111.36,10.4 111.36,10.9 111.24,10.9 111.24,11.29 v2(112,11.29) ; C270.1 v6(30.14,96.96) ; R88.1 v6(65.86,95.39) ; R273.1 v1(107.58,11.99) ; C64.1 v6(31.82,51.74) ; R55.1 v6(31.82,48.95) ; R87.1 v6(64.59,93.23) ; R236.1 v1(110.12,14.28) ; C367.1 v1(111.39,14.28) ; C271.1 v6(31.44,96.96) ; R195.1 v6(45.74,102.15) ; C53.1 v6(29.66,53.52) ; U33.5 v6(42.63,97.87) ; C115.1 v4(50.88,67.45) ; C109.1 v4(51.26,63.13) ; R56.1 v6(31.84,47.93) ; C265.1 v6(41.33,100) ; C116.1 v6(67.08,93.23) ; R54.1 v6(31.82,50.85) ; L11.2 v4(49.05,73.95)
  BOTTOM w0.457: v2(70.38,15.9) v2(70.09,17.16) ; v6(53.1,46.81) v6(54.13,47.11) ; v6(31.82,51.74) v6(31.82,50.85) ; v1(85.99,82.47) v1(84.97,82.47) ; R244.1 v4(75.15,49.91) ; v6(52.41,84.98) 52.41,84.6 52.45,84.11 v1(52.48,84.09) 52.48,83.27 v6(52.41,83.2) ; v4(31.45,81.29) v4(31.45,80.41) ; R218.1 v1(79.26,58.6) ; v2(46,67.17) v2(46.89,67.17) ; v6(31.44,96.96) v6(30.14,96.96) v4(30.15,98.03) ; v6(49.81,46.87) v6(48.66,47.17) ; v6(31.82,48.95) v6(31.84,47.93)
  vias: v4(106.73,87.42) v4(107.62,87.42) v4(108.28,87.66) v4(132.5,95.01) v4(133.39,95.01) v4(133.39,94.38)
